# KiCad board LI_ION_charger_5Vout.kicad_pcb
title: Li-ion charger BQ24295 with 5V USB output board; date: 2022-07-21; rev: V1.0.0.; company: SOLDERED; note: 333045
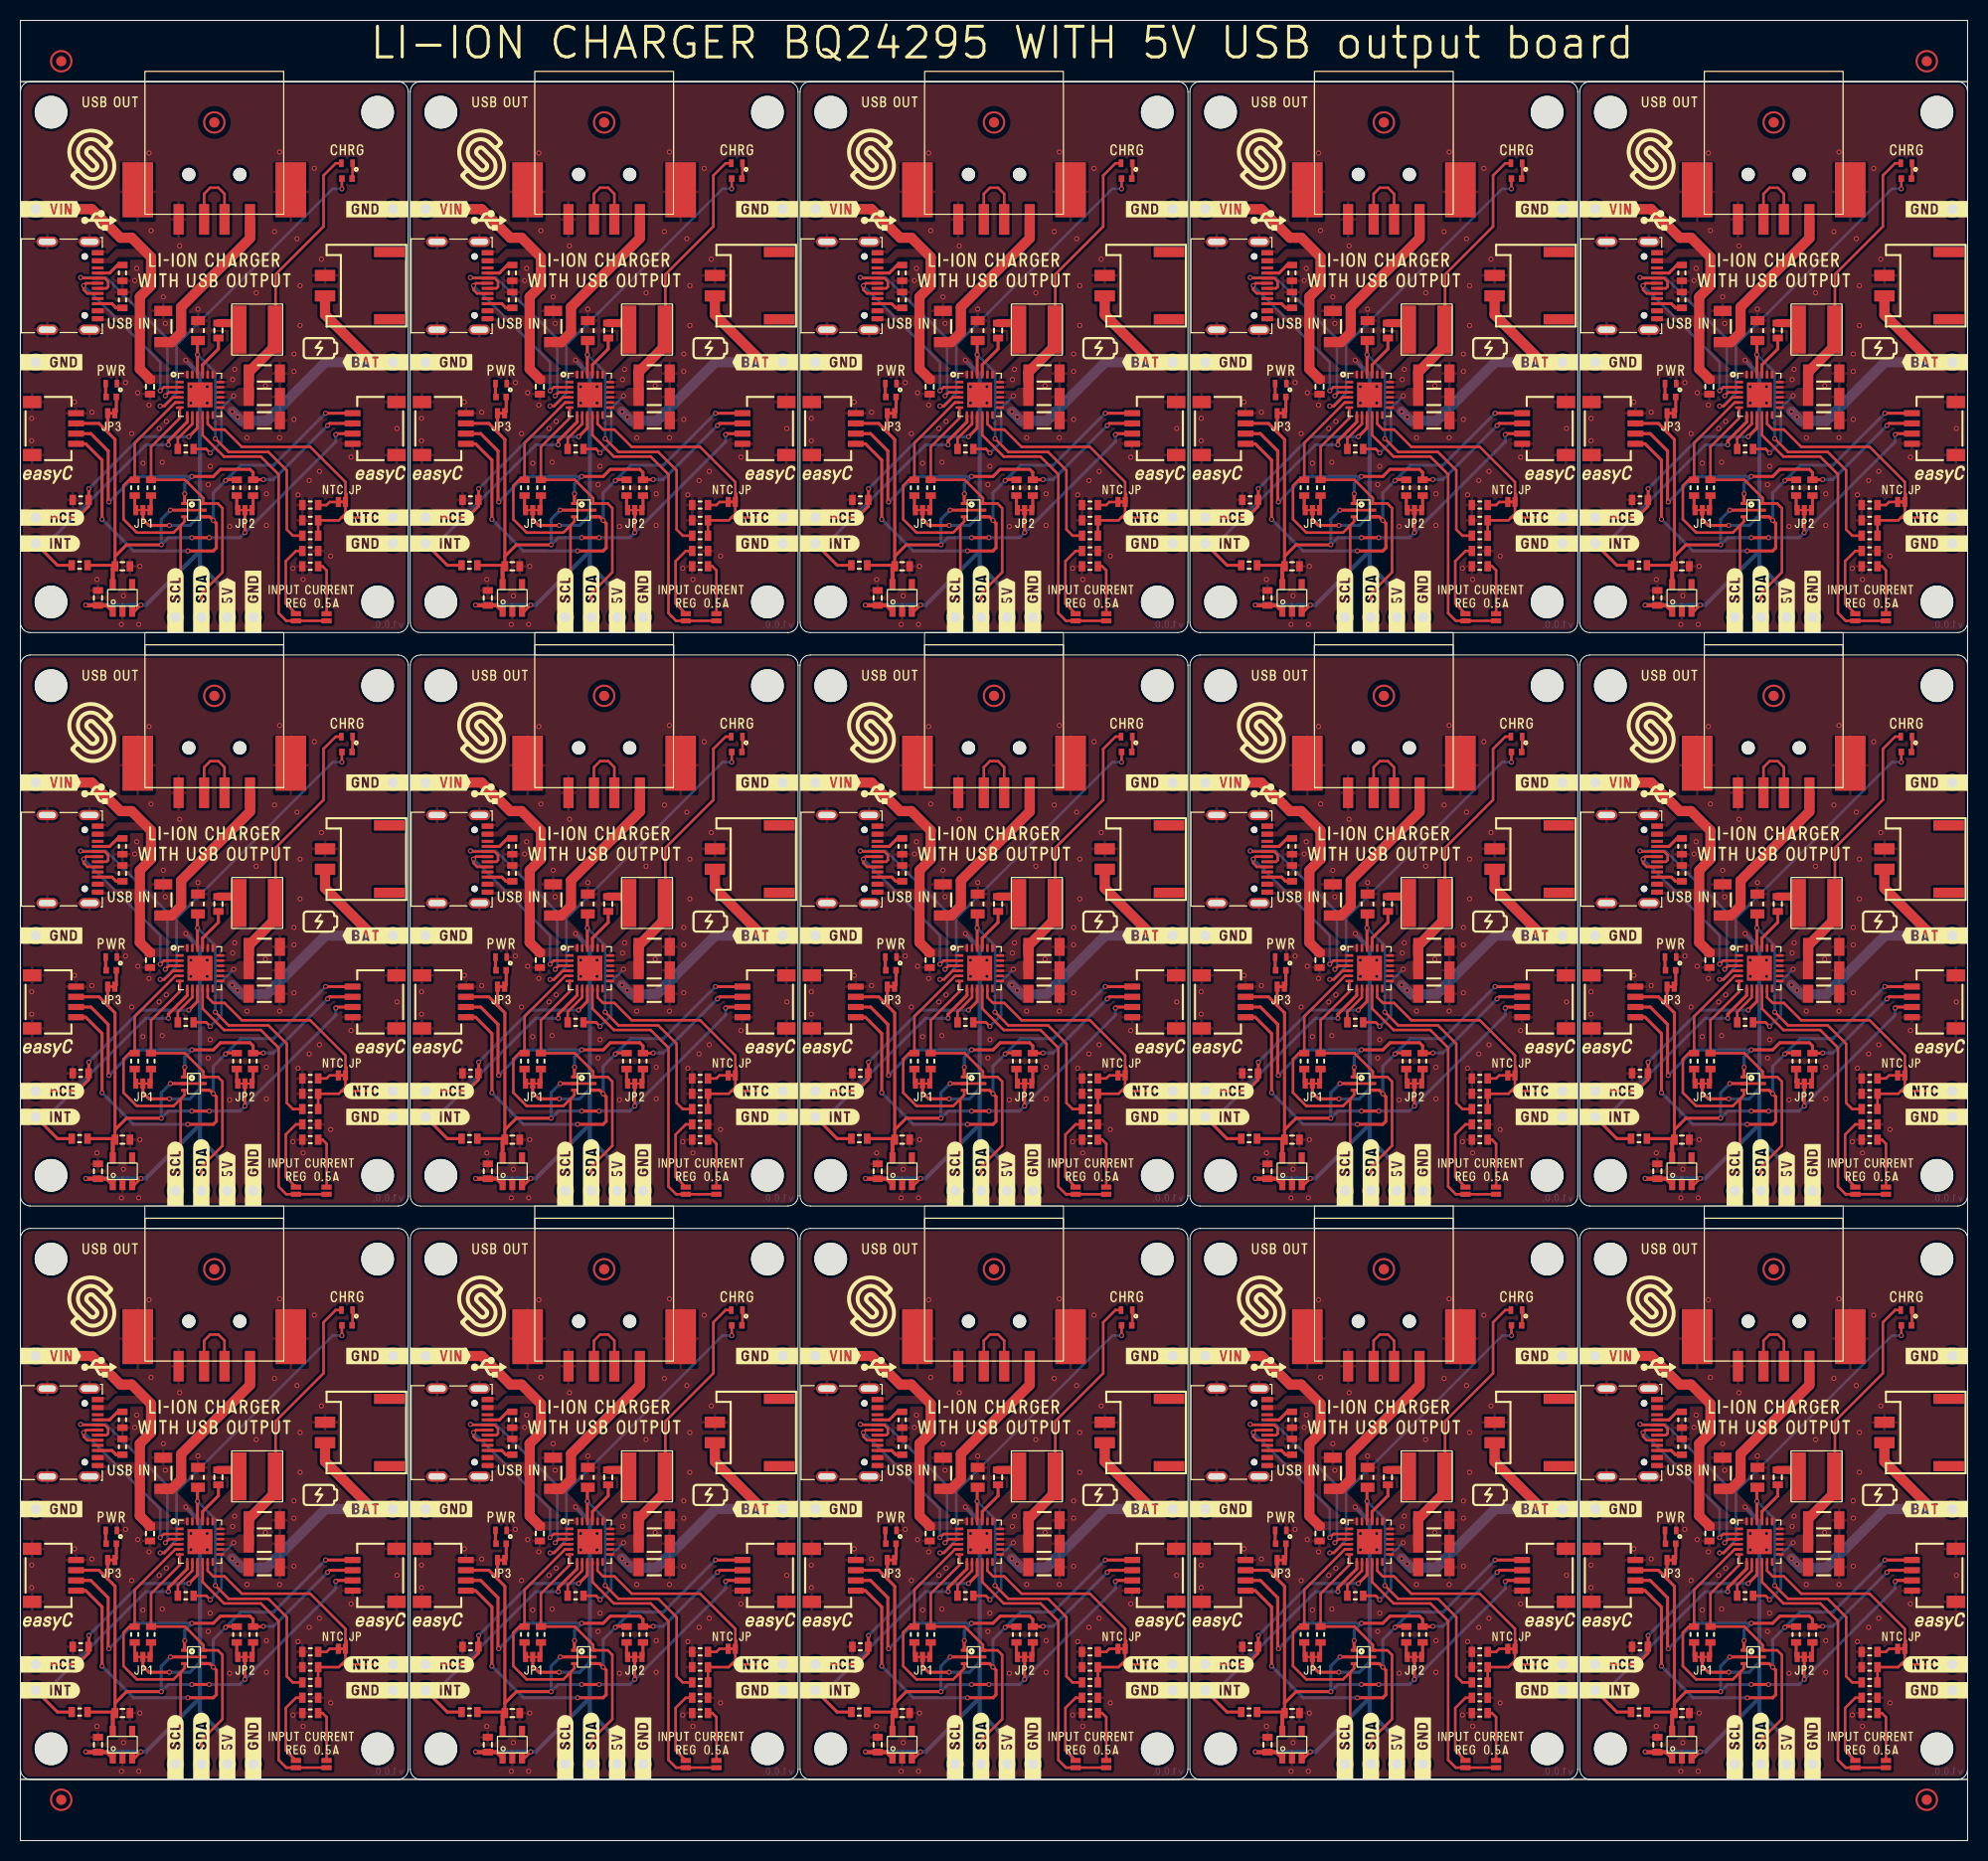
[diagram p0: board, top side]
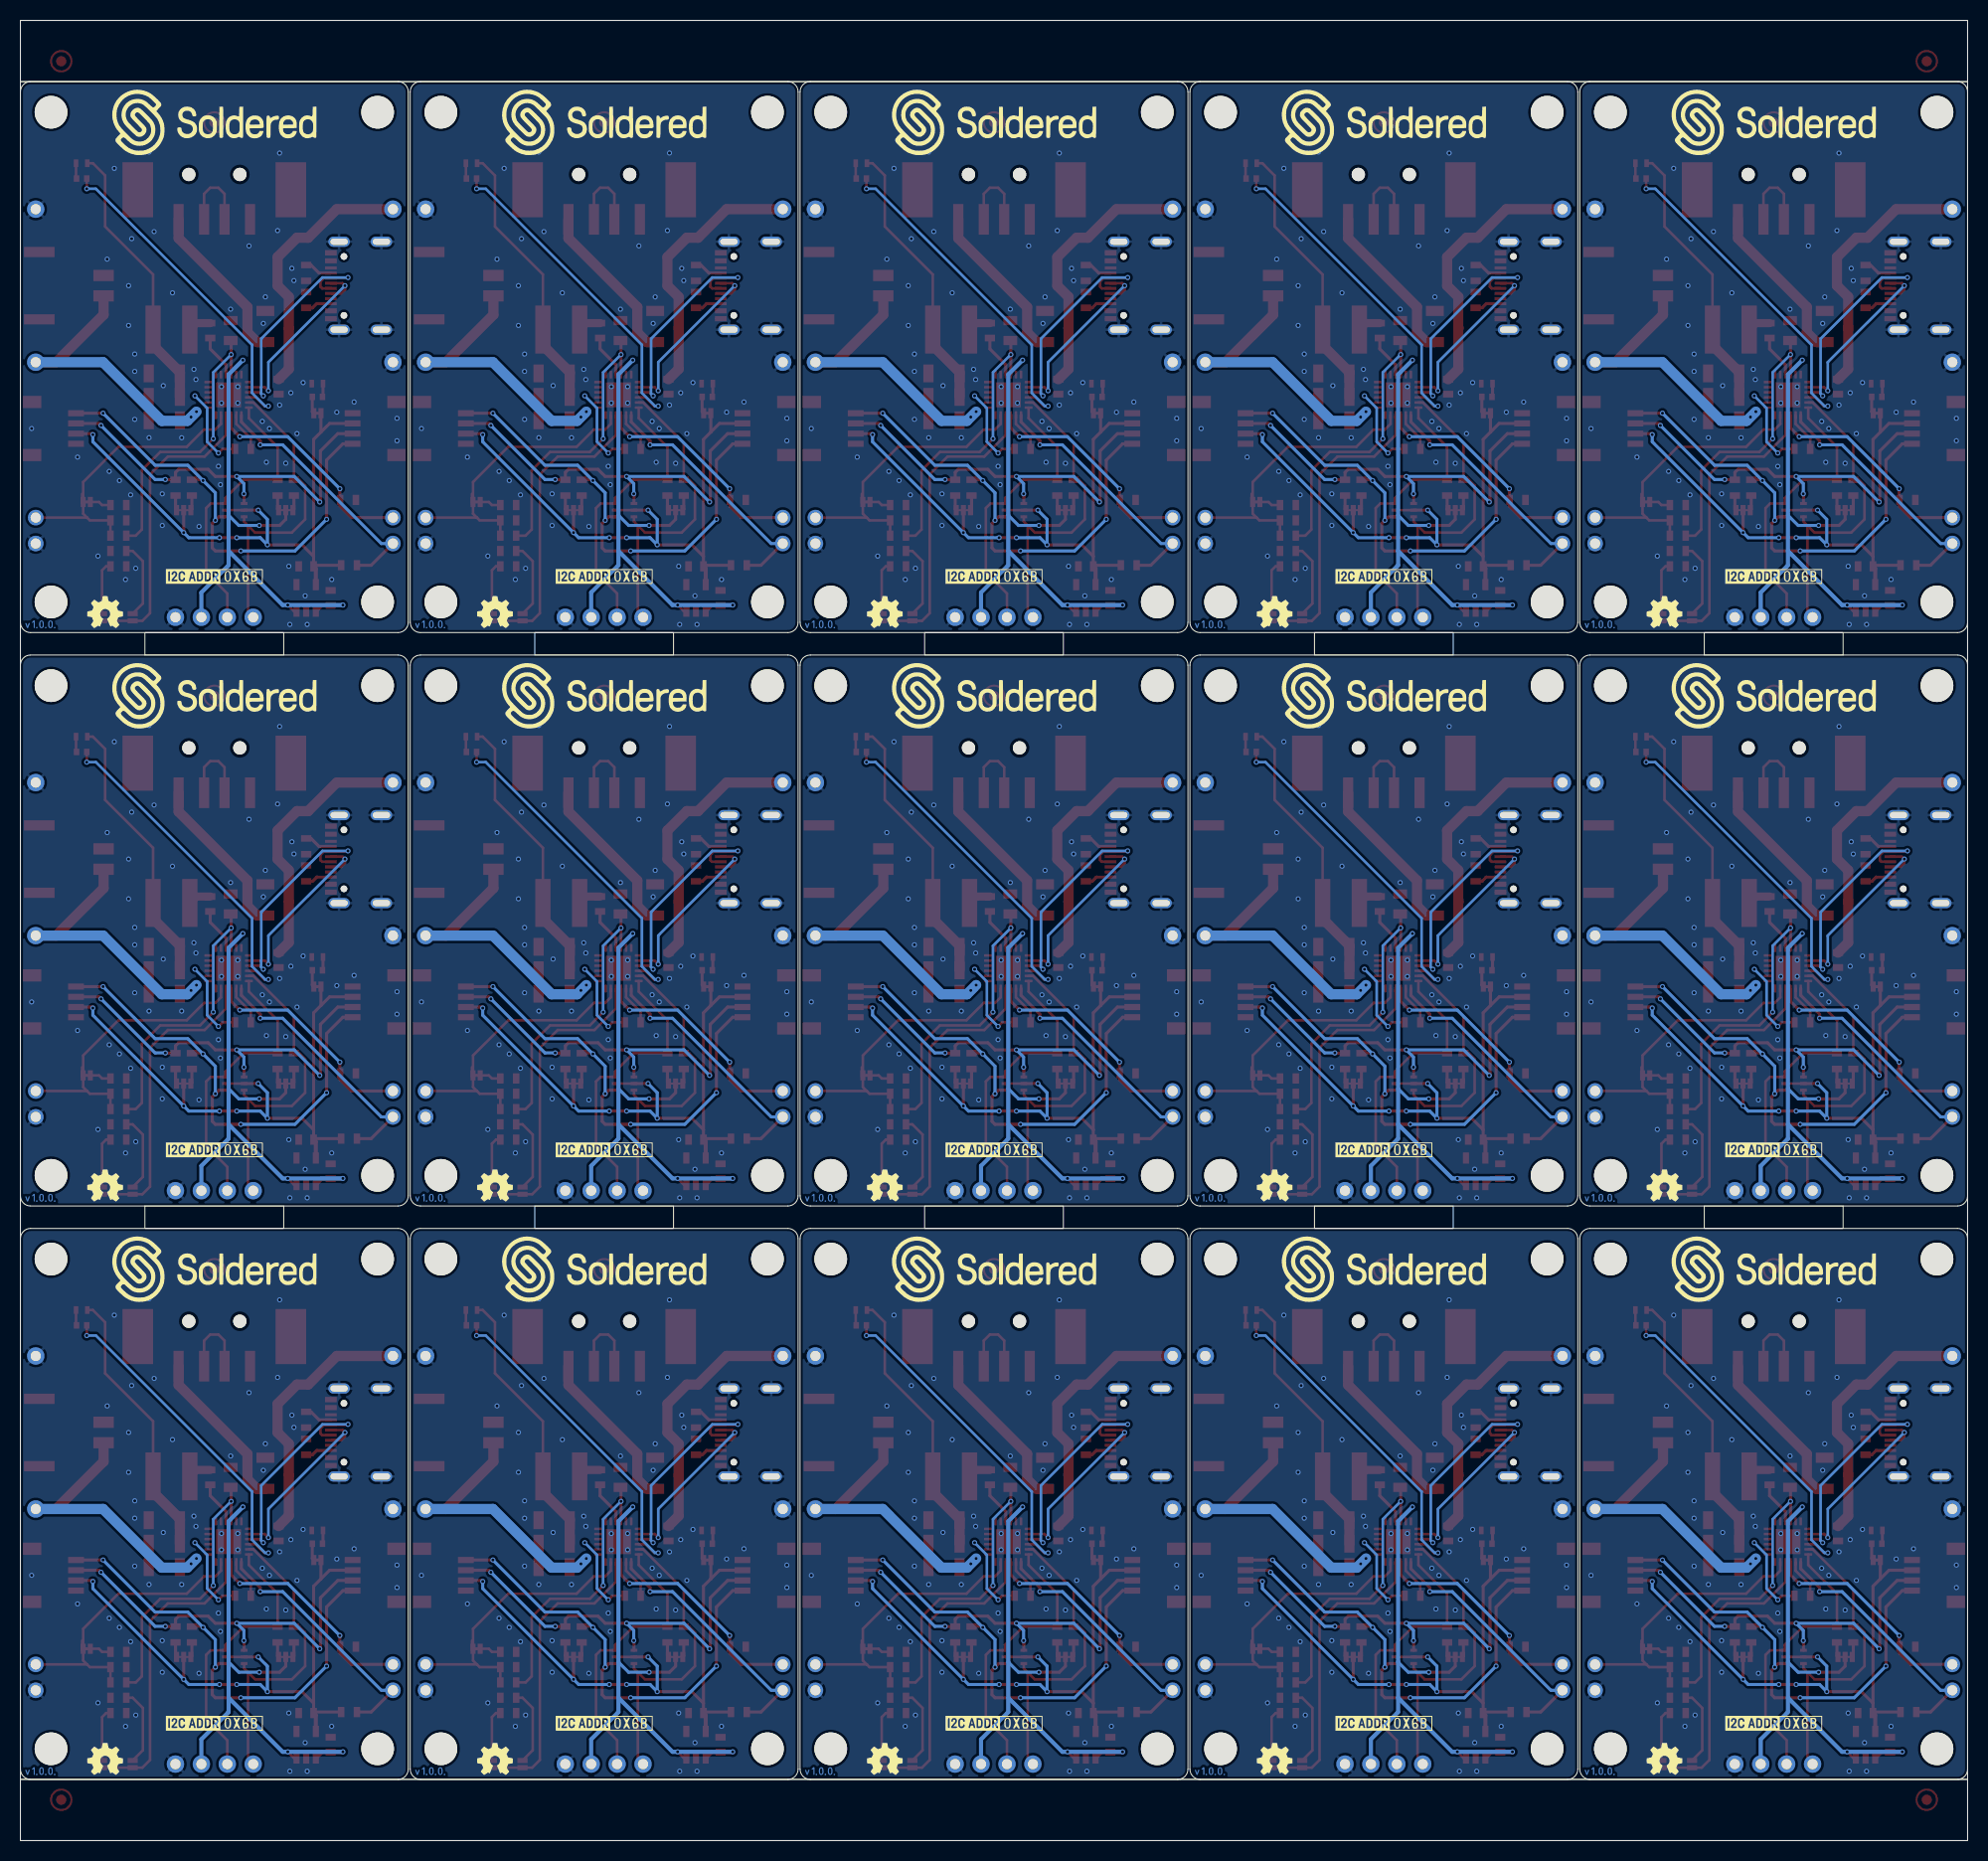
[diagram p1: board, bottom side, seen from below]

Outline 190.8 x 178.4 mm; copper layers: Top, Bottom. Coordinates in mm from the lower left corner of the outline.
Outline path: rectangle 0,178.4 190.8,172.4 ; rectangle 0,172.4 190.8,6 ; rectangle 0,6 190.8,0 ; rectangle 12.2,118.4 25.8,116.2 ; rectangle 12.2,62.2 25.8,60 ; rectangle 50.4,118.4 64,116.2 ; rectangle 50.4,62.2 64,60 ; rectangle 88.6,118.4 102.2,116.2 ; rectangle 88.6,62.2 102.2,60 ; rectangle 126.8,118.4 140.4,116.2 ; rectangle 126.8,62.2 140.4,60 ; rectangle 165,118.4 178.6,116.2 ; rectangle 165,62.2 178.6,60 ; 0,171.4 arc(0.29,172.11) 1,172.4 37,172.4 arc(37.71,172.11) 38,171.4 38,119.4 arc(37.71,118.69) 37,118.4 1,118.4 arc(0.29,118.69) 0,119.4 0,171.4 ; 0,115.2 arc(0.29,115.91) 1,116.2 37,116.2 arc(37.71,115.91) 38,115.2 38,63.2 arc(37.71,62.49) 37,62.2 1,62.2 arc(0.29,62.49) 0,63.2 0,115.2 ; 0,59 arc(0.29,59.71) 1,60 37,60 arc(37.71,59.71) 38,59 38,7 arc(37.71,6.29) 37,6 1,6 arc(0.29,6.29) 0,7 0,59 ; 38.2,171.4 arc(38.49,172.11) 39.2,172.4 75.2,172.4 arc(75.91,172.11) 76.2,171.4 76.2,119.4 arc(75.91,118.69) 75.2,118.4 39.2,118.4 arc(38.49,118.69) 38.2,119.4 38.2,171.4 ; 38.2,115.2 arc(38.49,115.91) 39.2,116.2 75.2,116.2 arc(75.91,115.91) 76.2,115.2 76.2,63.2 arc(75.91,62.49) 75.2,62.2 39.2,62.2 arc(38.49,62.49) 38.2,63.2 38.2,115.2 ; 38.2,59 arc(38.49,59.71) 39.2,60 75.2,60 arc(75.91,59.71) 76.2,59 76.2,7 arc(75.91,6.29) 75.2,6 39.2,6 arc(38.49,6.29) 38.2,7 38.2,59 ; 76.4,171.4 arc(76.69,172.11) 77.4,172.4 113.4,172.4 arc(114.11,172.11) 114.4,171.4 114.4,119.4 arc(114.11,118.69) 113.4,118.4 77.4,118.4 arc(76.69,118.69) 76.4,119.4 76.4,171.4 ; 76.4,115.2 arc(76.69,115.91) 77.4,116.2 113.4,116.2 arc(114.11,115.91) 114.4,115.2 114.4,63.2 arc(114.11,62.49) 113.4,62.2 77.4,62.2 arc(76.69,62.49) 76.4,63.2 76.4,115.2 ; 76.4,59 arc(76.69,59.71) 77.4,60 113.4,60 arc(114.11,59.71) 114.4,59 114.4,7 arc(114.11,6.29) 113.4,6 77.4,6 arc(76.69,6.29) 76.4,7 76.4,59 ; 114.6,171.4 arc(114.89,172.11) 115.6,172.4 151.6,172.4 arc(152.31,172.11) 152.6,171.4 152.6,119.4 arc(152.31,118.69) 151.6,118.4 115.6,118.4 arc(114.89,118.69) 114.6,119.4 114.6,171.4 ; 114.6,115.2 arc(114.89,115.91) 115.6,116.2 151.6,116.2 arc(152.31,115.91) 152.6,115.2 152.6,63.2 arc(152.31,62.49) 151.6,62.2 115.6,62.2 arc(114.89,62.49) 114.6,63.2 114.6,115.2 ; 114.6,59 arc(114.89,59.71) 115.6,60 151.6,60 arc(152.31,59.71) 152.6,59 152.6,7 arc(152.31,6.29) 151.6,6 115.6,6 arc(114.89,6.29) 114.6,7 114.6,59 ; 152.8,171.4 arc(153.09,172.11) 153.8,172.4 189.8,172.4 arc(190.51,172.11) 190.8,171.4 190.8,119.4 arc(190.51,118.69) 189.8,118.4 153.8,118.4 arc(153.09,118.69) 152.8,119.4 152.8,171.4 ; 152.8,115.2 arc(153.09,115.91) 153.8,116.2 189.8,116.2 arc(190.51,115.91) 190.8,115.2 190.8,63.2 arc(190.51,62.49) 189.8,62.2 153.8,62.2 arc(153.09,62.49) 152.8,63.2 152.8,115.2 ; 152.8,59 arc(153.09,59.71) 153.8,60 189.8,60 arc(190.51,59.71) 190.8,59 190.8,7 arc(190.51,6.29) 189.8,6 153.8,6 arc(153.09,6.29) 152.8,7 152.8,59
Stack: Top 0.035mm / dielectric 1.51mm FR4 er 4.5 / Bottom 0.035mm

## Placement (name value [footprint] x y rotation side)
C1  CL10B105KO8NNNL  [0603C]  50.9 142.5 90 top
C1#2  CL10B105KO8NNNL  [0603C]  127.3 142.5 90 top
C1#3  CL10B105KO8NNNL  [0603C]  127.3 30.1 90 top
C1#4  CL10B105KO8NNNL  [0603C]  127.3 86.3 90 top
C1#5  CL10B105KO8NNNL  [0603C]  89.1 30.1 90 top
C1#6  CL10B105KO8NNNL  [0603C]  50.9 30.1 90 top
C1#7  CL10B105KO8NNNL  [0603C]  50.9 86.3 90 top
C1#8  CL10B105KO8NNNL  [0603C]  165.5 86.3 90 top
C1#9  CL10B105KO8NNNL  [0603C]  12.7 30.1 90 top
C1#10  CL10B105KO8NNNL  [0603C]  12.7 86.3 90 top
C1#11  CL10B105KO8NNNL  [0603C]  165.5 142.5 90 top
C1#12  CL10B105KO8NNNL  [0603C]  165.5 30.1 90 top
C1#13  CL10B105KO8NNNL  [0603C]  12.7 142.5 90 top
C1#14  CL10B105KO8NNNL  [0603C]  89.1 142.5 90 top
C1#15  CL10B105KO8NNNL  [0603C]  89.1 86.3 90 top
C2  EMK316BB7226ML-T  [1206C]  52.2 36 270 top
C2#2  EMK316BB7226ML-T  [1206C]  90.4 36 270 top
C2#3  EMK316BB7226ML-T  [1206C]  166.8 92.2 270 top
C2#4  EMK316BB7226ML-T  [1206C]  52.2 148.4 270 top
C2#5  EMK316BB7226ML-T  [1206C]  14 36 270 top
C2#6  EMK316BB7226ML-T  [1206C]  166.8 148.4 270 top
C2#7  EMK316BB7226ML-T  [1206C]  90.4 148.4 270 top
C2#8  EMK316BB7226ML-T  [1206C]  52.2 92.2 270 top
C2#9  EMK316BB7226ML-T  [1206C]  90.4 92.2 270 top
C2#10  EMK316BB7226ML-T  [1206C]  166.8 36 270 top
C2#11  EMK316BB7226ML-T  [1206C]  128.6 148.4 270 top
C2#12  EMK316BB7226ML-T  [1206C]  128.6 36 270 top
C2#13  EMK316BB7226ML-T  [1206C]  128.6 92.2 270 top
C2#14  EMK316BB7226ML-T  [1206C]  14 148.4 270 top
C2#15  EMK316BB7226ML-T  [1206C]  14 92.2 270 top
C3  GRM21BR71C475KE51K  [0805C]  132 148 270 top
C3#2  GRM21BR71C475KE51K  [0805C]  132 35.6 270 top
C3#3  GRM21BR71C475KE51K  [0805C]  93.8 148 270 top
C3#4  GRM21BR71C475KE51K  [0805C]  170.2 148 270 top
C3#5  GRM21BR71C475KE51K  [0805C]  17.4 91.8 270 top
C3#6  GRM21BR71C475KE51K  [0805C]  55.6 91.8 270 top
C3#7  GRM21BR71C475KE51K  [0805C]  17.4 35.6 270 top
C3#8  GRM21BR71C475KE51K  [0805C]  170.2 35.6 270 top
C3#9  GRM21BR71C475KE51K  [0805C]  17.4 148 270 top
C3#10  GRM21BR71C475KE51K  [0805C]  132 91.8 270 top
C3#11  GRM21BR71C475KE51K  [0805C]  93.8 91.8 270 top
C3#12  GRM21BR71C475KE51K  [0805C]  55.6 148 270 top
C3#13  GRM21BR71C475KE51K  [0805C]  55.6 35.6 270 top
C3#14  GRM21BR71C475KE51K  [0805C]  170.2 91.8 270 top
C3#15  GRM21BR71C475KE51K  [0805C]  93.8 35.6 270 top
C4  CL10B473KO8NNNC  [0603C]  19.4 35.6 90 top
C4#2  CL10B473KO8NNNC  [0603C]  95.8 35.6 90 top
C4#3  CL10B473KO8NNNC  [0603C]  172.2 148 90 top
C4#4  CL10B473KO8NNNC  [0603C]  134 35.6 90 top
C4#5  CL10B473KO8NNNC  [0603C]  134 148 90 top
C4#6  CL10B473KO8NNNC  [0603C]  19.4 91.8 90 top
C4#7  CL10B473KO8NNNC  [0603C]  57.6 35.6 90 top
C4#8  CL10B473KO8NNNC  [0603C]  57.6 148 90 top
C4#9  CL10B473KO8NNNC  [0603C]  57.6 91.8 90 top
C4#10  CL10B473KO8NNNC  [0603C]  172.2 91.8 90 top
C4#11  CL10B473KO8NNNC  [0603C]  172.2 35.6 90 top
C4#12  CL10B473KO8NNNC  [0603C]  19.4 148 90 top
C4#13  CL10B473KO8NNNC  [0603C]  134 91.8 90 top
C4#14  CL10B473KO8NNNC  [0603C]  95.8 148 90 top
C4#15  CL10B473KO8NNNC  [0603C]  95.8 91.8 90 top
C5  CL31B106MOHNNNE  [1206C]  138.5 83 180 top
C5#2  CL31B106MOHNNNE  [1206C]  176.7 83 180 top
C5#3  CL31B106MOHNNNE  [1206C]  176.7 26.8 180 top
C5#4  CL31B106MOHNNNE  [1206C]  62.1 26.8 180 top
C5#5  CL31B106MOHNNNE  [1206C]  62.1 83 180 top
C5#6  CL31B106MOHNNNE  [1206C]  100.3 83 180 top
C5#7  CL31B106MOHNNNE  [1206C]  176.7 139.2 180 top
C5#8  CL31B106MOHNNNE  [1206C]  23.9 83 180 top
C5#9  CL31B106MOHNNNE  [1206C]  100.3 139.2 180 top
C5#10  CL31B106MOHNNNE  [1206C]  23.9 26.8 180 top
C5#11  CL31B106MOHNNNE  [1206C]  138.5 26.8 180 top
C5#12  CL31B106MOHNNNE  [1206C]  62.1 139.2 180 top
C5#13  CL31B106MOHNNNE  [1206C]  138.5 139.2 180 top
C5#14  CL31B106MOHNNNE  [1206C]  100.3 26.8 180 top
C5#15  CL31B106MOHNNNE  [1206C]  23.9 139.2 180 top
C6  CL31B106MOHNNNE  [1206C]  23.9 143.8 180 top
C6#2  CL31B106MOHNNNE  [1206C]  176.7 143.8 180 top
C6#3  CL31B106MOHNNNE  [1206C]  138.5 143.8 180 top
C6#4  CL31B106MOHNNNE  [1206C]  138.5 87.6 180 top
C6#5  CL31B106MOHNNNE  [1206C]  62.1 87.6 180 top
C6#6  CL31B106MOHNNNE  [1206C]  23.9 87.6 180 top
C6#7  CL31B106MOHNNNE  [1206C]  62.1 31.4 180 top
C6#8  CL31B106MOHNNNE  [1206C]  176.7 87.6 180 top
C6#9  CL31B106MOHNNNE  [1206C]  100.3 31.4 180 top
C6#10  CL31B106MOHNNNE  [1206C]  100.3 87.6 180 top
C6#11  CL31B106MOHNNNE  [1206C]  176.7 31.4 180 top
C6#12  CL31B106MOHNNNE  [1206C]  62.1 143.8 180 top
C6#13  CL31B106MOHNNNE  [1206C]  23.9 31.4 180 top
C6#14  CL31B106MOHNNNE  [1206C]  138.5 31.4 180 top
C6#15  CL31B106MOHNNNE  [1206C]  100.3 143.8 180 top
C7  CL31B106MOHNNNE  [1206C]  176.7 141.5 180 top
C7#2  CL31B106MOHNNNE  [1206C]  62.1 85.3 180 top
C7#3  CL31B106MOHNNNE  [1206C]  62.1 141.5 180 top
C7#4  CL31B106MOHNNNE  [1206C]  23.9 85.3 180 top
C7#5  CL31B106MOHNNNE  [1206C]  138.5 85.3 180 top
C7#6  CL31B106MOHNNNE  [1206C]  138.5 141.5 180 top
C7#7  CL31B106MOHNNNE  [1206C]  176.7 29.1 180 top
C7#8  CL31B106MOHNNNE  [1206C]  23.9 141.5 180 top
C7#9  CL31B106MOHNNNE  [1206C]  23.9 29.1 180 top
C7#10  CL31B106MOHNNNE  [1206C]  100.3 85.3 180 top
C7#11  CL31B106MOHNNNE  [1206C]  62.1 29.1 180 top
C7#12  CL31B106MOHNNNE  [1206C]  100.3 141.5 180 top
C7#13  CL31B106MOHNNNE  [1206C]  100.3 29.1 180 top
C7#14  CL31B106MOHNNNE  [1206C]  176.7 85.3 180 top
C7#15  CL31B106MOHNNNE  [1206C]  138.5 29.1 180 top
C8  2.2uF  [0603C]  84 9.4 270 top
C8#2  2.2uF  [0603C]  122.2 65.6 270 top
C8#3  2.2uF  [0603C]  84 65.6 270 top
C8#4  2.2uF  [0603C]  84 121.8 270 top
C8#5  2.2uF  [0603C]  45.8 9.4 270 top
C8#6  2.2uF  [0603C]  160.4 65.6 270 top
C8#7  2.2uF  [0603C]  122.2 121.8 270 top
C8#8  2.2uF  [0603C]  45.8 65.6 270 top
C8#9  2.2uF  [0603C]  7.6 65.6 270 top
C8#10  2.2uF  [0603C]  7.6 9.4 270 top
C8#11  2.2uF  [0603C]  160.4 9.4 270 top
C8#12  2.2uF  [0603C]  160.4 121.8 270 top
C8#13  2.2uF  [0603C]  122.2 9.4 270 top
C8#14  2.2uF  [0603C]  7.6 121.8 270 top
C8#15  2.2uF  [0603C]  45.8 121.8 270 top
C9  2.2uF  [0603C]  48.2 124.9 180 top
C9#2  2.2uF  [0603C]  86.4 68.7 180 top
C9#3  2.2uF  [0603C]  124.6 12.5 180 top
C9#4  2.2uF  [0603C]  124.6 124.9 180 top
C9#5  2.2uF  [0603C]  10 68.7 180 top
C9#6  2.2uF  [0603C]  86.4 124.9 180 top
C9#7  2.2uF  [0603C]  48.2 68.7 180 top
C9#8  2.2uF  [0603C]  162.8 124.9 180 top
C9#9  2.2uF  [0603C]  86.4 12.5 180 top
C9#10  2.2uF  [0603C]  48.2 12.5 180 top
C9#11  2.2uF  [0603C]  162.8 12.5 180 top
C9#12  2.2uF  [0603C]  124.6 68.7 180 top
C9#13  2.2uF  [0603C]  162.8 68.7 180 top
C9#14  2.2uF  [0603C]  10 12.5 180 top
C9#15  2.2uF  [0603C]  10 124.9 180 top
D1  red  [0402LED]  70.2 108.2 0 top
D1#2  red  [0402LED]  108.4 52 0 top
D1#3  red  [0402LED]  70.2 52 0 top
D1#4  red  [0402LED]  184.8 52 0 top
D1#5  red  [0402LED]  32 52 0 top
D1#6  red  [0402LED]  184.8 164.4 0 top
D1#7  red  [0402LED]  32 108.2 0 top
D1#8  red  [0402LED]  32 164.4 0 top
D1#9  red  [0402LED]  146.6 52 0 top
D1#10  red  [0402LED]  146.6 164.4 0 top
D1#11  red  [0402LED]  108.4 164.4 0 top
D1#12  red  [0402LED]  70.2 164.4 0 top
D1#13  red  [0402LED]  146.6 108.2 0 top
D1#14  red  [0402LED]  108.4 108.2 0 top
D1#15  red  [0402LED]  184.8 108.2 0 top
D2  purple  [0402LED]  8.9 30.4 0 top
D2#2  purple  [0402LED]  161.7 30.4 0 top
D2#3  purple  [0402LED]  85.3 142.8 0 top
D2#4  purple  [0402LED]  8.9 86.6 0 top
D2#5  purple  [0402LED]  47.1 86.6 0 top
D2#6  purple  [0402LED]  123.5 86.6 0 top
D2#7  purple  [0402LED]  161.7 142.8 0 top
D2#8  purple  [0402LED]  85.3 30.4 0 top
D2#9  purple  [0402LED]  123.5 30.4 0 top
D2#10  purple  [0402LED]  47.1 30.4 0 top
D2#11  purple  [0402LED]  8.9 142.8 0 top
D2#12  purple  [0402LED]  47.1 142.8 0 top
D2#13  purple  [0402LED]  123.5 142.8 0 top
D2#14  purple  [0402LED]  85.3 86.6 0 top
D2#15  purple  [0402LED]  161.7 86.6 0 top
FD1  FIDUCIAL  [FIDUCIAL_23]  57.2 168.4 0 top
FD1#2  FIDUCIAL  [FIDUCIAL_23]  186.8 174.4 0 top
FD1#3  FIDUCIAL  [FIDUCIAL_23]  57.2 112.2 0 top
FD1#4  FIDUCIAL  [FIDUCIAL_23]  19 168.4 0 top
FD1#5  FIDUCIAL  [FIDUCIAL_23]  19 56 0 top
FD1#6  FIDUCIAL  [FIDUCIAL_23]  95.4 56 0 top
FD1#7  FIDUCIAL  [FIDUCIAL_23]  171.8 56 0 top
FD1#8  FIDUCIAL  [FIDUCIAL_23]  171.8 168.4 0 top
FD1#9  FIDUCIAL  [FIDUCIAL_23]  186.8 4 0 top
FD1#10  FIDUCIAL  [FIDUCIAL_23]  19 112.2 0 top
FD1#11  FIDUCIAL  [FIDUCIAL_23]  95.4 168.4 0 top
FD1#12  FIDUCIAL  [FIDUCIAL_23]  171.8 112.2 0 top
FD1#13  FIDUCIAL  [FIDUCIAL_23]  95.4 112.2 0 top
FD1#14  FIDUCIAL  [FIDUCIAL_23]  4 4 0 top
FD1#15  FIDUCIAL  [FIDUCIAL_23]  4 174.4 0 top
FD1#16  FIDUCIAL  [FIDUCIAL_23]  133.6 168.4 0 top
FD1#17  FIDUCIAL  [FIDUCIAL_23]  133.6 56 0 top
FD1#18  FIDUCIAL  [FIDUCIAL_23]  57.2 56 0 top
FD1#19  FIDUCIAL  [FIDUCIAL_23]  133.6 112.2 0 top
G***  LOGO  [Symbol-Front-USB]  7.7 46.4 270 top
G***#2  LOGO  [Logo-Back-OSH-3.5mm]  144.3 64.2 0 top
G***#3  LOGO  [Logo-Back-OSH-3.5mm]  29.7 8 0 top
G***#4  LOGO  [Logo-Back-OSH-3.5mm]  106.1 120.4 0 top
G***#5  LOGO  [Logo-Front-easyC-5mm]  149.9 21.5 0 top
G***#6  LOGO  [Logo-Front-easyC-5mm]  111.7 21.5 0 top
G***#7  LOGO  [Symbol-Front-Battery]  105.8 90 0 top
G***#8  LOGO  [Symbol-Front-USB]  45.9 158.8 270 top
G***#9  LOGO  [Logo-Front-easyC-5mm]  149.9 77.7 0 top
G***#10  LOGO  [Logo-Front-easyC-5mm]  111.7 77.7 0 top
G***#11  LOGO  [Logo-Back-OSH-3.5mm]  29.7 120.4 0 top
G***#12  LOGO  [Logo-Front-Soldered-6mm]  159.8 52.4 0 top
G***#13  LOGO  [Symbol-Front-Battery]  29.4 146.2 0 top
G***#14  LOGO  [Symbol-Front-Battery]  182.2 33.8 0 top
G***#15  LOGO  [Logo-Front-easyC-5mm]  79.1 21.5 0 top
G***#16  LOGO  [Symbol-Front-USB]  7.7 158.8 270 top
G***#17  LOGO  [Symbol-Front-USB]  160.5 102.6 270 top
G***#18  LOGO  [Logo-Front-easyC-5mm]  79.1 133.9 0 top
G***#19  LOGO  [Logo-Front-easyC-5mm]  2.7 21.5 0 top
G***#20  LOGO  [Logo-Front-easyC-5mm]  117.3 133.9 0 top
G***#21  LOGO  [Logo-Front-easyC-5mm]  117.3 77.7 0 top
G***#22  LOGO  [Symbol-Front-USB]  7.7 102.6 270 top
G***#23  LOGO  [Symbol-Front-USB]  84.1 158.8 270 top
G***#24  LOGO  [Symbol-Front-Battery]  67.6 146.2 0 top
G***#25  LOGO  [Logo-Front-easyC-5mm]  73.5 133.9 0 top
G***#26  LOGO  [Symbol-Front-USB]  122.3 102.6 270 top
G***#27  LOGO  [Logo-Front-Soldered-6mm]  45.2 164.8 0 top
G***#28  LOGO  [Symbol-Front-USB]  84.1 102.6 270 top
G***#29  LOGO  [Symbol-Front-USB]  45.9 46.4 270 top
G***#30  LOGO  [Logo-Back-OSH-3.5mm]  106.1 64.2 0 top
G***#31  LOGO  [Symbol-Front-Battery]  144 90 0 top
G***#32  LOGO  [Symbol-Front-Battery]  67.6 33.8 0 top
G***#33  LOGO  [Symbol-Front-USB]  45.9 102.6 270 top
G***#34  LOGO  [Logo-Back-OSH-3.5mm]  144.3 120.4 0 top
G***#35  LOGO  [Logo-Front-easyC-5mm]  73.5 77.7 0 top
G***#36  LOGO  [Symbol-Front-USB]  122.3 158.8 270 top
G***#37  LOGO  [Logo-Front-Soldered-6mm]  7 164.8 0 top
G***#38  LOGO  [Logo-Front-easyC-5mm]  111.7 133.9 0 top
G***#39  LOGO  [Logo-Front-easyC-5mm]  79.1 77.7 0 top
G***#40  LOGO  [Logo-Front-Soldered-6mm]  159.8 164.8 0 top
G***#41  LOGO  [Logo-Front-Soldered-6mm]  83.4 108.6 0 top
G***#42  LOGO  [Logo-Front-easyC-5mm]  155.5 21.5 0 top
G***#43  LOGO  [Symbol-Front-Battery]  105.8 146.2 0 top
G***#44  LOGO  [Logo-Front-easyC-5mm]  149.9 133.9 0 top
G***#45  LOGO  [Logo-Front-easyC-5mm]  2.7 133.9 0 top
G***#46  LOGO  [Symbol-Front-Battery]  182.2 146.2 0 top
G***#47  LOGO  [Logo-Front-Soldered-6mm]  83.4 52.4 0 top
G***#48  LOGO  [Symbol-Front-Battery]  67.6 90 0 top
G***#49  LOGO  [Symbol-Front-USB]  122.3 46.4 270 top
G***#50  LOGO  [Logo-Front-Soldered-6mm]  45.2 52.4 0 top
G***#51  LOGO  [Logo-Back-OSH-3.5mm]  67.9 120.4 0 top
G***#52  LOGO  [Logo-Front-easyC-5mm]  40.9 21.5 0 top
G***#53  LOGO  [Logo-Front-Soldered-6mm]  83.4 164.8 0 top
G***#54  LOGO  [Logo-Front-easyC-5mm]  35.3 133.9 0 top
G***#55  LOGO  [Logo-Front-Soldered-6mm]  121.6 52.4 0 top
G***#56  LOGO  [Symbol-Front-Battery]  144 146.2 0 top
G***#57  LOGO  [Logo-Back-OSH-3.5mm]  67.9 64.2 0 top
G***#58  LOGO  [Logo-Front-easyC-5mm]  188.1 77.7 0 top
G***#59  LOGO  [Logo-Front-Soldered-6mm]  121.6 108.6 0 top
G***#60  LOGO  [Symbol-Front-Battery]  105.8 33.8 0 top
G***#61  LOGO  [Symbol-Front-USB]  84.1 46.4 270 top
G***#62  LOGO  [Symbol-Front-Battery]  182.2 90 0 top
G***#63  LOGO  [Logo-Front-easyC-5mm]  40.9 133.9 0 top
G***#64  LOGO  [Logo-Back-OSH-3.5mm]  182.5 120.4 0 top
G***#65  LOGO  [Logo-Front-easyC-5mm]  117.3 21.5 0 top
G***#66  LOGO  [Symbol-Front-Battery]  29.4 33.8 0 top
G***#67  LOGO  [Logo-Front-easyC-5mm]  2.7 77.7 0 top
G***#68  LOGO  [Logo-Front-Soldered-6mm]  7 108.6 0 top
G***#69  LOGO  [Logo-Front-easyC-5mm]  35.3 21.5 0 top
G***#70  LOGO  [Logo-Front-easyC-5mm]  155.5 77.7 0 top
G***#71  LOGO  [Logo-Front-Soldered-6mm]  7 52.4 0 top
G***#72  LOGO  [Logo-Front-Soldered-6mm]  121.6 164.8 0 top
G***#73  LOGO  [Symbol-Front-USB]  160.5 46.4 270 top
G***#74  LOGO  [Symbol-Front-USB]  160.5 158.8 270 top
G***#75  LOGO  [Logo-Front-easyC-5mm]  155.5 133.9 0 top
G***#76  LOGO  [Logo-Front-easyC-5mm]  188.1 133.9 0 top
G***#77  LOGO  [Logo-Back-OSH-3.5mm]  29.7 64.2 0 top
G***#78  LOGO  [Logo-Back-OSH-3.5mm]  182.5 64.2 0 top
G***#79  LOGO  [Logo-Front-easyC-5mm]  40.9 77.7 0 top
G***#80  LOGO  [Logo-Back-OSH-3.5mm]  67.9 8 0 top
G***#81  LOGO  [Logo-Back-OSH-3.5mm]  182.5 8 0 top
G***#82  LOGO  [Logo-Front-easyC-5mm]  73.5 21.5 0 top
G***#83  LOGO  [Logo-Front-easyC-5mm]  188.1 21.5 0 top
G***#84  LOGO  [Logo-Front-Soldered-6mm]  45.2 108.6 0 top
G***#85  LOGO  [Logo-Front-easyC-5mm]  35.3 77.7 0 top
G***#86  LOGO  [Symbol-Front-Battery]  144 33.8 0 top
G***#87  LOGO  [Logo-Back-OSH-3.5mm]  144.3 8 0 top
G***#88  LOGO  [Symbol-Front-Battery]  29.4 90 0 top
G***#89  LOGO  [Logo-Front-Soldered-6mm]  159.8 108.6 0 top
G***#90  LOGO  [Logo-Back-OSH-3.5mm]  106.1 8 0 top
H1  -  [HOLE_3.2mm]  3 121.4 0 top
H1#2  -  [HOLE_3.2mm]  79.4 9 0 top
H1#3  -  [HOLE_3.2mm]  41.2 65.2 0 top
H1#4  -  [HOLE_3.2mm]  117.6 65.2 0 top
H1#5  -  [HOLE_3.2mm]  117.6 121.4 0 top
H1#6  -  [HOLE_3.2mm]  155.8 9 0 top
H1#7  -  [HOLE_3.2mm]  3 9 0 top
H1#8  -  [HOLE_3.2mm]  79.4 121.4 0 top
H1#9  -  [HOLE_3.2mm]  41.2 9 0 top
H1#10  -  [HOLE_3.2mm]  3 65.2 0 top
H1#11  -  [HOLE_3.2mm]  117.6 9 0 top
H1#12  -  [HOLE_3.2mm]  41.2 121.4 0 top
H1#13  -  [HOLE_3.2mm]  155.8 121.4 0 top
H1#14  -  [HOLE_3.2mm]  79.4 65.2 0 top
H1#15  -  [HOLE_3.2mm]  155.8 65.2 0 top
H2  -  [HOLE_3.2mm]  3 169.4 0 top
H2#2  -  [HOLE_3.2mm]  79.4 57 0 top
H2#3  -  [HOLE_3.2mm]  117.6 57 0 top
H2#4  -  [HOLE_3.2mm]  79.4 113.2 0 top
H2#5  -  [HOLE_3.2mm]  155.8 113.2 0 top
H2#6  -  [HOLE_3.2mm]  3 57 0 top
H2#7  -  [HOLE_3.2mm]  155.8 169.4 0 top
H2#8  -  [HOLE_3.2mm]  155.8 57 0 top
H2#9  -  [HOLE_3.2mm]  79.4 169.4 0 top
H2#10  -  [HOLE_3.2mm]  41.2 113.2 0 top
H2#11  -  [HOLE_3.2mm]  3 113.2 0 top
H2#12  -  [HOLE_3.2mm]  117.6 169.4 0 top
H2#13  -  [HOLE_3.2mm]  41.2 57 0 top
H2#14  -  [HOLE_3.2mm]  41.2 169.4 0 top
H2#15  -  [HOLE_3.2mm]  117.6 113.2 0 top
H3  -  [HOLE_3.2mm]  187.8 9 0 top
H3#2  -  [HOLE_3.2mm]  111.4 121.4 0 top
H3#3  -  [HOLE_3.2mm]  187.8 65.2 0 top
H3#4  -  [HOLE_3.2mm]  111.4 65.2 0 top
H3#5  -  [HOLE_3.2mm]  73.2 121.4 0 top